# KiCad board pi60_v1.1.kicad_pcb (continued)
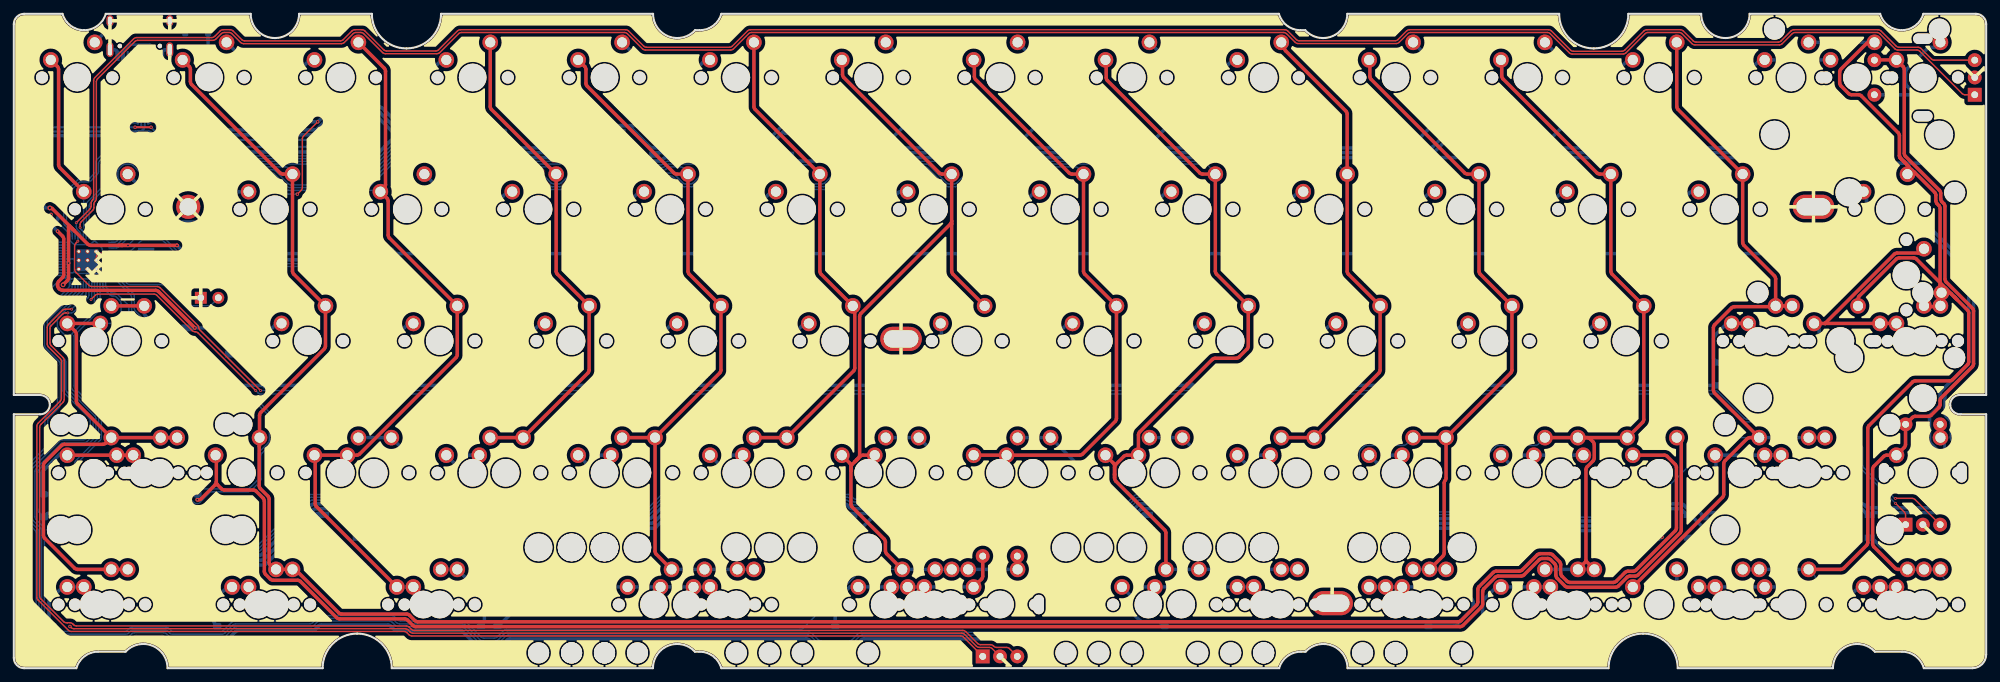
[diagram p0: board, top side]
## Routing (per net, layer and track width the routed paths; a pad name or vN(x,y) marks a point on that pad's centre or on a via; arc(x,y) is an arc through that point) (continued)
  Bottom w0.2: U1.39 9.25,54.87 arc(9.21,54.66) 9.09,54.49 4.99,50.38 arc(4.87,50.2) 4.83,50 4.83,46.85 arc(4.87,46.64) 4.99,46.47 6.95,44.51 arc(7.06,44.33) 7.11,44.12 7.11,40.16 arc(7.15,39.95) 7.26,39.77 10.89,36.15 arc(11.01,35.97) 11.05,35.76 11.05,34.02 arc(11.01,33.81) 10.89,33.64 10.42,33.17 arc(10.25,33.06) 10.04,33.01 7.03,33.01 arc(6.82,32.97) 6.64,32.86 2.81,29.02 arc(2.69,28.84) 2.65,28.63 2.65,21.71 arc(2.69,21.51) 2.81,21.33 3.87,20.27 arc(3.98,20.09) 4.03,19.88 4.03,5.54 arc(4.07,5.33) 4.19,5.16 4.27,5.07 arc(4.45,4.95) 4.66,4.91 16.19,4.91 arc(16.4,4.95) 16.58,5.07 16.87,5.36 arc(17.05,5.48) 17.26,5.52 21.83,5.52 arc(22.04,5.48) 22.22,5.36 22.52,5.07 arc(22.69,4.95) 22.9,4.91 30.09,4.91 arc(30.3,4.95) 30.48,5.07 31.66,6.25 arc(31.83,6.37) 32.04,6.41 42.78,6.41 arc(42.99,6.45) 43.17,6.57 43.64,7.04 arc(43.82,7.16) 44.02,7.2 54.46,7.2 arc(54.67,7.16) 54.84,7.04 55.32,6.57 arc(55.49,6.45) 55.7,6.41 64.83,6.41 arc(65.04,6.37) 65.21,6.25 67.37,4.1 arc(67.54,3.98) 67.75,3.94 69.6,3.94 arc(69.81,3.98) 69.98,4.1 70.92,5.03 arc(71.09,5.15) 71.3,5.19 114.93,5.19 arc(115.14,5.15) 115.32,5.03 116.25,4.1 arc(116.43,3.98) 116.63,3.94 120.74,3.94 arc(120.95,3.98) 121.13,4.1 122.06,5.03 arc(122.24,5.15) 122.44,5.19 210.18,5.19 arc(210.39,5.15) 210.57,5.03 211.5,4.1 arc(211.68,3.98) 211.88,3.94 214.71,3.94 arc(214.84,3.91) 214.95,3.84 arc(215.06,3.76) 215.19,3.74 228.96,3.74 arc(229.17,3.78) 229.34,3.9 232.12,6.68 arc(232.3,6.79) 232.51,6.84 238.24,6.84 arc(238.45,6.79) 238.63,6.68 241.21,4.1 arc(241.38,3.98) 241.59,3.94 242.08,3.94 arc(242.21,3.91) 242.32,3.84 arc(242.43,3.76) 242.56,3.74 258.45,3.74 arc(258.66,3.78) 258.83,3.9 259,4.06 arc(259.16,4.17) 259.34,4.2 arc(259.53,4.24) 259.69,4.35 260.52,5.18 arc(260.64,5.35) 260.68,5.56 260.68,6.45 arc(260.64,6.66) 260.52,6.83 260.49,6.86 arc(260.37,7.04) 260.33,7.25 260.33,13.07 arc(260.29,13.28) 260.17,13.45 259.5,14.12 arc(259.32,14.24) 259.12,14.28
  Bottom w0.5: 259.12,14.28 K81.2 ; K15.2 K14.2
C14: length 446.9
  Top w0.5: 268.89,87.94 271.82,87.94 arc(272.02,87.9) 272.2,87.78 273.01,86.97 arc(273.12,86.8) 273.17,86.59 273.17,74.4 arc(273.21,74.19) 273.33,74.02 278.27,69.07 arc(278.39,68.89) 278.43,68.68 278.43,67.84 arc(278.47,67.63) 278.59,67.46 278.88,67.16 arc(279,66.99) 279.04,66.78 279.04,56.24 arc(279.09,56.03) 279.2,55.86 283.02,52.04 arc(283.14,51.87) 283.18,51.66 283.18,43.98 arc(283.14,43.78) 283.02,43.6 278.5,39.08 arc(278.39,38.91) 278.34,38.7 278.34,38.08 arc(278.3,37.87) 278.19,37.69 277.06,36.57 arc(276.88,36.45) 276.68,36.41 274.74,36.41 arc(274.53,36.37) 274.35,36.25 SW2.S2 273.35,32.33 arc(273.31,32.12) 273.19,31.94 K66.1 270.6,30.79 arc(270.39,30.75) 270.21,30.63 268.75,29.17 arc(268.64,28.99) 268.6,28.79 268.6,17.95 arc(268.64,17.74) 268.75,17.56 271.88,14.44 arc(272.05,14.32) 272.26,14.28 K82.2
  Bottom w0.2: 278.69,13.99 278.69,13.4 arc(278.73,13.19) 278.85,13.02 282,9.87 arc(282.11,9.69) 282.16,9.48 282.16,8.92 arc(282.11,8.71) 282,8.53 281.6,8.13 arc(281.42,8.02) 281.21,7.98 278.17,7.98 arc(277.96,7.93) 277.78,7.82 276.98,7.02 arc(276.8,6.9) 276.6,6.86 264.64,6.86 arc(264.43,6.81) 264.26,6.7 263.06,5.5 arc(262.88,5.38) 262.67,5.34 261.47,5.34 arc(261.26,5.3) 261.08,5.18 259.85,3.95 arc(259.69,3.84) 259.51,3.81 arc(259.32,3.77) 259.16,3.66 259,3.5 arc(258.82,3.38) 258.61,3.34 242.4,3.34 arc(242.26,3.36) 242.15,3.44 arc(242.04,3.51) 241.91,3.54 241.43,3.54 arc(241.22,3.58) 241.04,3.7 238.46,6.28 arc(238.28,6.39) 238.08,6.44 232.67,6.44 arc(232.47,6.39) 232.29,6.28 229.51,3.5 arc(229.33,3.38) 229.13,3.34 215.03,3.34 arc(214.89,3.36) 214.78,3.44 arc(214.67,3.51) 214.54,3.54 211.72,3.54 arc(211.51,3.58) 211.33,3.7 210.4,4.63 arc(210.22,4.75) 210.02,4.79 122.61,4.79 arc(122.4,4.75) 122.23,4.63 121.29,3.7 arc(121.12,3.58) 120.91,3.54 116.47,3.54 arc(116.26,3.58) 116.08,3.7 115.15,4.63 arc(114.97,4.75) 114.77,4.79 71.47,4.79 arc(71.26,4.75) 71.08,4.63 70.15,3.7 arc(69.97,3.58) 69.77,3.54 67.59,3.54 arc(67.38,3.58) 67.2,3.7 65.05,5.85 arc(64.87,5.97) 64.66,6.01 55.53,6.01 arc(55.33,6.05) 55.15,6.17 54.68,6.64 arc(54.5,6.76) 54.29,6.8 44.19,6.8 arc(43.98,6.76) 43.8,6.64 43.33,6.17 arc(43.16,6.05) 42.95,6.01 32.21,6.01 arc(32,5.97) 31.82,5.85 30.64,4.67 arc(30.46,4.55) 30.26,4.51 22.74,4.51 arc(22.53,4.55) 22.35,4.67 22.05,4.97 arc(21.88,5.08) 21.67,5.12 17.42,5.12 arc(17.22,5.08) 17.04,4.97 16.74,4.67 arc(16.57,4.55) 16.36,4.51 4.49,4.51 arc(4.29,4.55) 4.11,4.67 3.79,4.99 arc(3.67,5.17) 3.63,5.38 3.63,19.72 arc(3.58,19.93) 3.47,20.1 2.41,21.16 arc(2.29,21.34) 2.25,21.55 2.25,28.8 arc(2.29,29.01) 2.41,29.19 4.74,31.52 arc(4.85,31.69) 4.9,31.9 4.9,35.79 arc(4.94,35.99) 5.05,36.17 6.55,37.66 arc(6.66,37.84) 6.71,38.05 6.71,43.96 arc(6.66,44.17) 6.55,44.34 4.59,46.3 arc(4.47,46.48) 4.43,46.69 4.43,50.16 arc(4.47,50.37) 4.59,50.55 8.69,54.65 arc(8.81,54.83) 8.85,55.04 U1.40
  Bottom w0.5: K90.2 K82.2
C15: length 79.5
  Top w0.5: 14.3,33.33 K111.2 K50.2 ; 14.3,33.33 arc(14.09,33.29) 13.93,33.19 ; 14.3,33.33 arc(14.09,33.37) 13.91,33.49 ; 13.91,33.49 9.2,38.2 arc(9.08,38.38) 9.04,38.59 9.04,48.3 arc(9,48.51) 8.88,48.68 K31.1 K32.1 ; 13.91,33.49 arc(13.98,33.34) 13.93,33.19 ; 13.93,33.19 13.27,32.52 arc(13.09,32.41) 12.88,32.36 7.3,32.36 arc(7.09,32.32) 6.91,32.21 4.44,29.73 arc(4.32,29.55) 4.28,29.35 4.28,19.19 arc(4.32,18.98) 4.44,18.8 8.8,14.44 arc(8.97,14.32) 9.18,14.28 K68.2 K76.2
  Bottom w0.2: K32.1 14.65,49.84 arc(14.86,49.88) 15.04,50 15.34,50.3 arc(15.46,50.47) 15.5,50.68 15.5,52.74 arc(15.46,52.95) 15.34,53.13 14.82,53.64 arc(14.64,53.76) 14.44,53.8 14.27,53.8 arc(14.06,53.85) 13.89,53.96 13.01,54.84 arc(12.89,55.01) 12.85,55.22 U1.30
C_1: length 11
  Bottom w0.5: K103.1 82.73,29.6 arc(82.82,29.46) 82.86,29.29 82.86,29.19 ; D48.2 83.02,26.28 arc(82.9,26.46) 82.86,26.67 82.86,29.02 ; K55.1 84.59,30.79 arc(84.38,30.75) 84.2,30.63 82.92,29.35 arc(82.87,29.28) 82.86,29.19 ; 82.86,29.19 82.86,29.02 ; 82.86,29.19 82.86,29.02
CC1: length 3.4
  Bottom w0.3: R6.2 17.73,85.65 arc(17.68,85.86) 17.57,86.04 17.12,86.49 arc(17,86.67) 16.96,86.87 USB1.4
CC2: length 3.2
  Bottom w0.3: R7.2 19.63,86.87 arc(19.67,87.08) 19.79,87.26 19.8,87.27 arc(19.91,87.45) 19.96,87.65 USB1.10
D2: length 14.7
  Bottom w0.5: D51.2 153.56,25.48 arc(153.68,25.66) 153.72,25.86 153.72,29.19 arc(153.68,29.4) 153.56,29.57 K58.2 K106.2
DN_MCU: length 67.4
  Top w0.3: v1(17.52,78.2) v1(19.83,78.2)
  Bottom w0.3: 45.25,76.37 21.86,76.37 arc(21.65,76.42) 21.48,76.53 19.83,78.18 arc(19.83,78.19) 19.83,78.19 v1(19.83,78.2) ; 18.42,78.6 18.42,78.32 arc(18.42,78.32) 18.42,78.32 18.36,78.26 arc(18.3,78.22) 18.23,78.2 v1(17.52,78.2) 4.21,78.2 arc(4,78.16) 3.83,78.05 0.59,74.8 arc(0.47,74.63) 0.43,74.42 0.43,58.77 arc(0.47,58.56) 0.59,58.39 1.53,57.44 arc(1.7,57.33) 1.91,57.28 R2.1
DN_USB: length 11.8
  Bottom w0.3: USB1.7 18.46,89.58 17.46,89.58 USB1.5 17.46,87.08 arc(17.5,86.87) 17.62,86.7 18.26,86.05 arc(18.37,85.88) 18.42,85.67 18.42,80.54 18.42,80.24
DP_MCU: length 66.3
  Bottom w0.3: 18.07,77.6 17.61,77.6 ; 18.07,77.6 19.48,77.6 arc(19.69,77.56) 19.86,77.44 21.77,75.53 arc(21.95,75.42) 22.15,75.37 45.25,75.37 ; 18.07,77.6 arc(18.02,77.6) 17.96,77.6 ; 17.61,77.6 4.31,77.6 arc(4.1,77.56) 3.93,77.44 1.08,74.6 arc(0.97,74.42) 0.93,74.21 0.93,59.44 arc(0.97,59.23) 1.08,59.06 1.75,58.39 arc(1.92,58.28) 2.13,58.23 R1.1 ; 17.61,77.6 17.96,77.6 ; 18.92,78.6 18.92,78.34 arc(18.88,78.13) 18.76,77.95 18.57,77.76 arc(18.39,77.64) 18.18,77.6 17.96,77.6
DP_USB: length 11.2
  Bottom w0.3: 18.96,86.14 USB1.8 ; 18.96,86.14 arc(18.95,86.12) 18.94,86.11 ; 18.96,86.14 arc(18.95,86.12) 18.94,86.11 ; 18.92,80.2 18.92,86.05 arc(18.92,86.08) 18.94,86.1 18.94,86.11 ; 18.94,86.11 arc(18.93,86.1) 18.91,86.11 18.12,86.9 arc(18,87.08) 17.96,87.29 USB1.6
Enter 1: length 38.3
  Top w0.5: 261.72,49.84 K48.1 K49.1 ; 261.72,49.84 271.74,59.86 arc(271.91,59.98) 272.12,60.02 275.17,60.02 arc(275.38,60.06) 275.55,60.18 K46.1 ; 261.72,49.84 arc(261.72,49.84) 261.72,49.84 ; 261.72,49.84 arc(261.72,49.84) 261.72,49.84 ; 261.72,49.84 K45.1
  Bottom w0.5: D43.2 258.87,44.19 arc(259.07,44.23) 259.25,44.35 260.71,45.81 arc(260.83,45.99) 260.87,46.19 260.87,48.88 arc(260.83,49.08) 260.71,49.26 K45.1
ISO': length 9
  Top w0.5: K47.1 248.23,49.84
  Bottom w0.5: D42.2 245.74,44.53 arc(245.63,44.71) 245.58,44.91 245.58,47.64 arc(245.63,47.85) 245.74,48.03 247.55,49.84
ISO_<>_1: length 260.5
  Top w0.5: K112.2 240.79,32.84 arc(240.9,32.66) 240.94,32.45 240.94,19.96 arc(240.9,19.75) 240.79,19.57 234.69,13.47 arc(234.51,13.36) 234.3,13.31 233.51,13.31 arc(233.31,13.27) 233.13,13.16 231.83,11.85 arc(231.65,11.74) 231.44,11.69 224.54,11.69 arc(224.33,11.74) 224.16,11.85 222.98,13.04 arc(222.86,13.21) 222.82,13.42 222.82,14.71 arc(222.77,14.92) 222.66,15.09 222.05,15.7 arc(221.88,15.81) 221.67,15.85 220.81,15.85 arc(220.61,15.81) 220.43,15.7 218.21,13.47 arc(218.03,13.36) 217.82,13.31 214.46,13.31 arc(214.26,13.27) 214.08,13.16 212.41,11.48 arc(212.29,11.31) 212.25,11.1 212.25,9.24 arc(212.2,9.04) 212.09,8.86 209.39,6.17 arc(209.22,6.05) 209.01,6.01 58.06,6.01 arc(57.85,6.05) 57.67,6.17 56.87,6.97 arc(56.7,7.08) 56.49,7.12 47.05,7.12 arc(46.84,7.17) 46.67,7.28 41.4,12.55 arc(41.23,12.66) 41.02,12.7 37.46,12.7 arc(37.25,12.75) 37.07,12.86 36.36,13.58 arc(36.24,13.76) 36.2,13.97 36.2,24.17 arc(36.15,24.38) 36.04,24.55 34.99,25.6 arc(34.82,25.71) 34.61,25.76 30.41,25.76 arc(30.2,25.8) 30.02,25.92 29.4,26.54 ; v1(26.51,24.34) 26.72,24.34 arc(26.91,24.38) 27.07,24.49 29.1,26.52 ; K52.1 29.21,30.74 arc(29.24,30.68) 29.26,30.61 29.26,26.9 ; 29.4,26.54 arc(29.25,26.59) 29.1,26.52 ; 29.4,26.54 arc(29.3,26.7) 29.26,26.9 ; 29.26,26.9 arc(29.22,26.69) 29.1,26.52
  Bottom w0.5: D45.2 26.52,25.13 arc(26.51,25.12) 26.51,25.1 v1(26.51,24.34)
K29 1: length 14.3
  Top w0.5: K31.2 K32.2
  Bottom w0.5: D30.2 22.25,44.34 arc(22.22,44.47) 22.14,44.59 20.16,46.57 arc(20.04,46.75) 20,46.96 20,49.75 arc(19.96,49.96) 19.84,50.14 18.99,50.98 arc(18.88,51.16) 18.83,51.37 K32.2
K59 1: length 20.2
  Bottom w0.5: 216.21,28.67 216.21,28.2 ; 216.21,28.67 216.21,29.25 arc(216.17,29.46) 216.05,29.63 K110.1 ; 216.21,28.67 arc(216.21,28.61) 216.21,28.55 ; 216.21,28.2 216.21,28.55 ; 216.21,28.2 216.21,26.76 arc(216.25,26.55) 216.37,26.37 217.44,25.3 arc(217.62,25.18) 217.83,25.14 D55.2 ; 216.21,28.55 216.21,29.06 arc(216.25,29.27) 216.37,29.44 217.55,30.63 arc(217.73,30.75) 217.94,30.79 K62.1 K63.1
K61 1: length 15.7
  Bottom w0.5: 245.95,30.69 245.95,27.02 arc(245.91,26.81) 245.79,26.63 D56.2 ; K67.1 K64.1
K65 1: length 9
  Bottom w0.5: 7.05,11.74 5.24,9.93 arc(5.12,9.75) 5.08,9.54 5.08,6.81 arc(5.12,6.61) 5.24,6.43 D58.2 ; K68.1 K76.1
K66 1: length 9
  Bottom w0.5: 30.86,11.74 29.05,9.93 arc(28.93,9.75) 28.89,9.54 28.89,6.81 arc(28.93,6.61) 29.05,6.43 D59.2 ; K69.1 K77.1
K67 1: length 12.4
  Bottom w0.5: D60.2 67.83,6.43 arc(67.95,6.61) 67.99,6.81 67.99,10.14 arc(67.95,10.35) 67.83,10.52 K78.2 K70.2
K68 1: length 29.3
  Top w0.5: SW3.S2 140,13.28 arc(139.96,13.07) 139.84,12.89 K79.1
  Bottom w0.5: K92.1 K84.1 K79.1 ; 121.89,11.87 121.14,11.87 arc(120.93,11.83) 120.75,11.71 118.85,9.8 arc(118.73,9.63) 118.69,9.42 D61.2
K69 1: length 24.4
  Bottom w0.5: K86.1 K72.1 208.67,11.74 arc(208.88,11.7) 209.06,11.58 210.71,9.93 arc(210.83,9.75) 210.87,9.54 210.87,8.86 arc(210.83,8.65) 210.71,8.47 208.48,6.25 arc(208.31,6.13) 208.1,6.09 D62.2
K70 1: length 14.2
  Bottom w0.5: K87.1 K73.1 ; 213.79,6.09 212.41,7.47 arc(212.29,7.65) 212.25,7.86 212.25,9.54 arc(212.29,9.75) 212.41,9.93 214.22,11.74
K71 1: length 20.8
  Bottom w0.5: D64.2 259.78,9.52 arc(259.74,9.73) 259.62,9.91 257.95,11.58 arc(257.77,11.7) 257.56,11.74 K89.1 K81.1
K72 1: length 12.2
  Bottom w0.5: K82.1 K90.1 ; 266.6,11.74 262.32,7.45 arc(262.2,7.28) 262.16,7.07 D65.2
K80 1: length 32.9
  Bottom w0.5: 70.03,6.09 75.52,11.58 arc(75.7,11.7) 75.91,11.74 K91.1 K95.1 K97.1
K82 1: length 28.4
  Bottom w0.5: 161.44,10.2 161.44,8.39 arc(161.48,8.18) 161.6,8.01 162.74,6.87 arc(162.92,6.75) 163.12,6.71 165.33,6.71 arc(165.54,6.66) 165.71,6.55 166.17,6.09 ; 161.44,10.2 arc(161.48,10.41) 161.6,10.58 ; 161.44,10.2 arc(161.4,10.4) 161.3,10.56 ; 161.6,10.58 162.6,11.58 arc(162.77,11.7) 162.98,11.74 K85.1 K99.1 K96.1 ; 161.6,10.58 arc(161.44,10.51) 161.3,10.56 ; 161.3,10.56 K93.1
LED: length 66.5
  Bottom w0.2: U1.28 14.29,56.37 arc(14.47,56.33) 14.62,56.23 16.85,54 arc(16.97,53.82) 17.01,53.61 17.01,51.85 arc(17.05,51.64) 17.17,51.46 18.89,49.74 arc(19.01,49.57) 19.05,49.36 19.05,46.56 arc(19.09,46.36) 19.21,46.18 20.79,44.6 arc(20.91,44.42) 20.95,44.21 20.95,41.07 arc(20.99,40.86) 21.11,40.68 21.5,40.3 arc(21.67,40.18) 21.88,40.14 33.57,40.14 arc(33.78,40.1) 33.95,39.98 37.17,36.76 arc(37.29,36.59) 37.33,36.38 37.33,32.8 arc(37.29,32.59) 37.17,32.41 35.87,31.11 arc(35.75,30.94) 35.71,30.73 35.71,27.34 arc(35.67,27.13) 35.55,26.95 34.26,25.67 arc(34.08,25.55) 33.87,25.51 28.67,25.51 arc(28.46,25.46) 28.29,25.35 26.89,23.95 arc(26.72,23.84) 26.51,23.79 26.42,23.79 arc(26.21,23.84) 26.03,23.95 25.23,24.76 arc(25.05,24.87) 24.85,24.91 22.14,24.91 arc(21.93,24.87) 21.75,24.76 19.27,22.27 arc(19.09,22.15) 18.88,22.11 18.61,22.11
LShift 1: length 17.3
  Top w0.5: K51.1 K111.1 K50.1
  Bottom w0.5: 7.41,31.1 7.02,31.1 arc(6.81,31.06) 6.63,30.94 4.16,28.46 arc(4.04,28.28) 4,28.08 4,25.71 arc(4.04,25.5) 4.16,25.33 D44.2
M_2: length 14.7
  Bottom w0.5: K107.2 K59.2 172.61,29.57 arc(172.73,29.4) 172.77,29.19 172.77,25.86 arc(172.73,25.66) 172.61,25.48 D52.2
R0: length 418.5
  Top w0.2: v1(40.97,68.53) 41.53,69.09 arc(41.65,69.27) 41.69,69.48 41.69,76.54 arc(41.73,76.75) 41.85,76.93 v1(43.91,78.99)
  Bottom w0.2: U1.15 14.48,61.57 arc(14.69,61.61) 14.86,61.73 18.1,64.97 arc(18.28,65.08) 18.49,65.12 19.27,65.12 arc(19.48,65.17) 19.66,65.28 20.06,65.68 arc(20.18,65.86) 20.22,66.07 20.22,66.63 arc(20.18,66.84) 20.06,67.02 19.66,67.42 arc(19.48,67.53) 19.27,67.57 18.49,67.57 arc(18.28,67.62) 18.1,67.73 15.19,70.65 arc(15.07,70.83) 15.03,71.03 15.03,71.79 arc(15.07,72) 15.19,72.18 15.7,72.69 arc(15.88,72.81) 16.09,72.85 16.82,72.85 arc(17.03,72.81) 17.2,72.69 20.56,69.34 arc(20.74,69.22) 20.94,69.18 28.56,69.18 arc(28.77,69.22) 28.95,69.34 30.33,70.72 arc(30.51,70.84) 30.72,70.88 36.88,70.88 arc(37.09,70.84) 37.27,70.72 39.3,68.69 arc(39.47,68.57) 39.68,68.53 v1(40.97,68.53)
  Bottom w0.5: 87.78,78.43 87.31,78.43 ; 87.78,78.43 88.63,78.43 arc(88.84,78.39) 89.01,78.28 91.9,75.38 arc(92.08,75.27) 92.29,75.22 107.64,75.22 arc(107.85,75.27) 108.02,75.38 110.91,78.26 arc(111.08,78.38) 111.29,78.42 112.72,78.42 arc(112.93,78.38) 113.11,78.26 115.99,75.38 arc(116.16,75.27) 116.37,75.22 123.79,75.22 ; 87.78,78.43 arc(87.72,78.43) 87.66,78.43 ; 87.31,78.43 86.96,78.43 arc(86.75,78.39) 86.58,78.28 83.68,75.38 arc(83.51,75.27) 83.3,75.22 70,75.22 arc(69.79,75.27) 69.62,75.38 66.74,78.26 arc(66.56,78.38) 66.35,78.42 61.26,78.42 arc(61.05,78.47) 60.88,78.58 60.47,78.99 ; 87.31,78.43 87.66,78.43 ; D1.1 28.06,89.29 arc(28.11,89.08) 28.22,88.9 30.53,86.59 arc(30.65,86.42) 30.69,86.21 30.69,82.67 arc(30.74,82.46) 30.85,82.29 D2.1 D3.1 v1(43.91,78.99) 45.89,80.96 arc(46.06,81.08) 46.27,81.12 52.87,81.12 arc(53.08,81.08) 53.26,80.96 55.64,78.58 arc(55.81,78.47) 56.02,78.42 59.56,78.42 arc(59.77,78.47) 59.94,78.58 D4.1 ; 245.56,75.22 240.26,75.22 arc(240.05,75.27) 239.88,75.38 237,78.27 arc(236.82,78.38) 236.61,78.42 235.18,78.42 arc(234.97,78.38) 234.8,78.27 231.91,75.38 arc(231.74,75.27) 231.53,75.22 219.89,75.22 ; 245.56,75.22 246.03,75.22 ; 245.56,75.22 245.91,75.22 ; 162.21,75.22 161.61,75.22 arc(161.4,75.27) 161.23,75.38 158.35,78.26 arc(158.17,78.38) 157.96,78.42 156.53,78.42 arc(156.32,78.38) 156.15,78.26 153.26,75.38 arc(153.09,75.27) 152.88,75.22 143.63,75.22 ; 162.21,75.22 162.56,75.22 ; 162.21,75.22 162.68,75.22 ; 195.97,75.22 204.66,75.22 arc(204.87,75.27) 205.04,75.38 207.93,78.27 arc(208.1,78.38) 208.31,78.42 209.75,78.42 arc(209.96,78.38) 210.14,78.27 213.02,75.38 arc(213.19,75.27) 213.4,75.22 219.54,75.22 ; 195.97,75.22 195.62,75.22 ; 195.97,75.22 arc(196.03,75.22) 196.09,75.22 ; 124.26,75.22 123.79,75.22 ; 124.26,75.22 131.45,75.22 arc(131.66,75.27) 131.83,75.38 134.72,78.26 arc(134.89,78.38) 135.1,78.42 136.53,78.42 arc(136.74,78.38) 136.92,78.26 139.8,75.38 arc(139.97,75.27) 140.18,75.22 143.16,75.22 ; 124.26,75.22 arc(124.2,75.22) 124.14,75.22 ; 123.79,75.22 124.14,75.22 ; 162.56,75.22 163.37,75.22 arc(163.58,75.27) 163.75,75.38 167.36,78.99 ; 162.56,75.22 arc(162.62,75.22) 162.68,75.22 ; 143.51,75.22 144.31,75.22 arc(144.52,75.27) 144.69,75.38 148.3,78.99 ; 143.51,75.22 143.16,75.22 ; 143.51,75.22 arc(143.57,75.22) 143.63,75.22 ; 246.03,75.22 246.71,75.22 arc(246.92,75.27) 247.09,75.38 250.7,78.99 ; 246.03,75.22 arc(245.97,75.22) 245.91,75.22 ; 219.54,75.22 219.89,75.22 ; 219.54,75.22 220.01,75.22 ; 219.89,75.22 arc(219.95,75.22) 220.01,75.22 ; 143.63,75.22 143.16,75.22 ; 91.16,78.99 90.77,78.59 arc(90.59,78.48) 90.38,78.43 87.66,78.43 ; 162.68,75.22 177.88,75.22 arc(178.09,75.27) 178.26,75.38 181.15,78.27 arc(181.32,78.38) 181.53,78.42 182.96,78.42 arc(183.17,78.38) 183.35,78.27 186.23,75.38 arc(186.4,75.27) 186.61,75.22 195.62,75.22 ; 124.14,75.22 125.27,75.22 arc(125.48,75.27) 125.65,75.38 129.26,78.99 ; 245.91,75.22 252.59,75.22 arc(252.8,75.18) 252.97,75.06 253.23,74.81 arc(253.4,74.69) 253.61,74.65 258.34,74.65 arc(258.55,74.69) 258.72,74.81 262.18,78.26 arc(262.35,78.38) 262.56,78.42 264,78.42 arc(264.21,78.38) 264.39,78.26 267.27,75.38 arc(267.44,75.27) 267.65,75.22 268.97,75.22 arc(269.18,75.18) 269.36,75.06 271.26,73.16 arc(271.43,73.05) 271.64,73 281.13,73 arc(281.34,73.05) 281.51,73.16 282.58,74.22 ; 196.09,75.22 201.48,75.22 arc(201.69,75.27) 201.86,75.38 205.47,78.99 ; 196.09,75.22 195.62,75.22 ; 220.01,75.22 220.52,75.22 arc(220.73,75.27) 220.9,75.38 224.51,78.99 ; D12.1 D13.1 ; D9.1 D10.1 ; D5.1 D6.1
R1: length 256.2
  Bottom w0.2: 29.23,59.94 28.65,60.52 arc(28.53,60.7) 28.49,60.9 28.49,63.01 arc(28.45,63.21) 28.33,63.39 27.93,63.79 arc(27.76,63.91) 27.55,63.95 23.35,63.95 arc(23.14,63.99) 22.96,64.11 22.51,64.57 arc(22.33,64.68) 22.12,64.73 18.65,64.73 arc(18.45,64.68) 18.27,64.57 15.03,61.33 arc(14.85,61.21) 14.64,61.17 U1.16
  Bottom w0.5: D29.1 55.46,59.94 arc(55.25,59.98) 55.07,60.1 54.64,60.54 arc(54.46,60.65) 54.25,60.69 52.26,60.69 arc(52.05,60.65) 51.88,60.54 51.44,60.1 arc(51.26,59.98) 51.05,59.94 D16.1
R2: length 258.5
  Bottom w0.2: 22.08,40.89 21.51,41.46 arc(21.39,41.64) 21.35,41.85 21.35,44.38 arc(21.31,44.59) 21.19,44.76 20.4,45.55 19.61,46.34 arc(19.49,46.52) 19.45,46.73 19.45,49.52 arc(19.41,49.73) 19.29,49.91 17.57,51.63 arc(17.45,51.81) 17.41,52.02 17.41,53.78 arc(17.37,53.99) 17.25,54.16 14.81,56.61 arc(14.63,56.72) 14.42,56.77 U1.27
  Bottom w0.5: 257.86,40.89 253.68,36.71 arc(253.51,36.59) 253.3,36.55 250.65,36.55 arc(250.44,36.59) 250.26,36.71 D42.1 D30.1
R3: length 350
  Bottom w0.2: U1.37 10.05,54.54 arc(10.01,54.33) 9.89,54.16 6.46,50.72 arc(6.34,50.54) 6.3,50.34 6.3,49.47 arc(6.34,49.27) 6.46,49.09 7.74,47.8 arc(7.86,47.63) 7.9,47.42 7.9,44.68 arc(7.9,44.68) 7.9,44.68 arc(7.91,44.68) 7.91,44.68 7.91,40.49 arc(7.95,40.28) 8.06,40.1 11.69,36.48 arc(11.81,36.3) 11.85,36.09 11.85,33.69 arc(11.81,33.48) 11.69,33.31 10.76,32.37 arc(10.58,32.26) 10.37,32.21 7.36,32.21 arc(7.15,32.17) 6.97,32.06 3.61,28.69 arc(3.49,28.51) 3.45,28.3 3.45,22.96 arc(3.49,22.75) 3.61,22.58 D44.1
  Bottom w0.5: 57.81,21.84 57.15,21.18 arc(56.98,21.07) 56.77,21.02 52.9,21.02 arc(52.69,21.07) 52.52,21.18 50.1,23.6 arc(49.92,23.72) 49.72,23.76 43.38,23.76 arc(43.18,23.72) 43,23.6 35.86,16.46 arc(35.69,16.34) 35.48,16.3 29.27,16.3 arc(29.06,16.34) 28.89,16.46 25.57,19.78 arc(25.45,19.96) 25.41,20.17 25.41,20.85 ; 58.11,21.84 58.77,21.18 arc(58.94,21.07) 59.15,21.02 63.91,21.02 arc(64.12,21.07) 64.29,21.18 64.95,21.84 ; 153.25,21.64 160.28,21.64 arc(160.49,21.68) 160.67,21.8 162.47,23.6 arc(162.65,23.72) 162.86,23.76 167.62,23.76 arc(167.83,23.72) 168.01,23.6 168.39,23.22 arc(168.57,23.1) 168.78,23.06 170.1,23.06 arc(170.31,23.02) 170.49,22.9 171.39,22 arc(171.57,21.88) 171.78,21.84 D52.1 ; 172.46,21.64 179.23,21.64 ; 281.68,21.84 280.49,23.03 arc(280.32,23.15) 280.11,23.19 268.06,23.19 arc(267.85,23.23) 267.67,23.35 267.42,23.6 arc(267.24,23.72) 267.03,23.76 262.03,23.76 arc(261.82,23.72) 261.64,23.6 257.08,19.03 arc(256.9,18.92) 256.69,18.87 252.15,18.87 arc(251.94,18.92) 251.76,19.03 248.47,22.33 arc(248.29,22.45) 248.08,22.49 245.18,22.49 arc(244.97,22.45) 244.79,22.33 D56.1 243.24,22.9 arc(243.06,23.02) 242.85,23.06 242.07,23.06 arc(241.86,23.1) 241.68,23.22 241.3,23.6 arc(241.12,23.72) 240.91,23.76 235.89,23.76 arc(235.68,23.72) 235.51,23.6 233.34,21.43 arc(233.16,21.32) 232.96,21.27 219.47,21.27 arc(219.26,21.32) 219.09,21.43 218.7,21.82 ; 84.16,21.7 84.19,21.67 arc(84.23,21.64) 84.27,21.63 91.82,21.63 arc(92.03,21.68) 92.21,21.79 94.01,23.6 arc(94.19,23.72) 94.4,23.76 100.36,23.76 arc(100.57,23.72) 100.75,23.6 102.35,22 arc(102.53,21.88) 102.74,21.84 D49.1 ; 198.34,21.71 198.11,21.71 arc(197.9,21.76) 197.73,21.87 196.95,22.65 arc(196.77,22.77) 196.56,22.81 192.17,22.81 arc(192.01,22.84) 191.87,22.94 arc(191.73,23.03) 191.57,23.06 190.81,23.06 arc(190.6,23.1) 190.42,23.22 190.04,23.6 arc(189.86,23.72) 189.65,23.76 184.89,23.76 arc(184.68,23.72) 184.5,23.6 182.7,21.8 arc(182.52,21.68) 182.31,21.64 179.58,21.64 ; 218.55,21.84 216.79,23.6 arc(216.61,23.72) 216.41,23.76 210.49,23.76 arc(210.28,23.72) 210.1,23.6 208.3,21.8 arc(208.12,21.68) 207.91,21.64 198.66,21.64 ; 65.2,21.84 66.96,23.6 arc(67.14,23.72) 67.35,23.76 72.38,23.76 arc(72.59,23.72) 72.77,23.6 73.15,23.22 arc(73.33,23.1) 73.54,23.06 82.56,23.06 arc(82.76,23.02) 82.94,22.9 84,21.84 ; 103.41,21.64 112.66,21.64 arc(112.87,21.68) 113.05,21.8 114.85,23.6 arc(115.03,23.72) 115.24,23.76 120,23.76 arc(120.21,23.72) 120.39,23.6 120.77,23.22 arc(120.95,23.1) 121.16,23.06 132,23.06 arc(132.21,23.02) 132.39,22.9 133.29,22 arc(133.47,21.88) 133.68,21.84 134.02,21.84 arc(134.16,21.81) 134.27,21.74 arc(134.38,21.66) 134.51,21.63 138.25,21.63 arc(138.46,21.68) 138.64,21.79 140.44,23.6 arc(140.62,23.72) 140.83,23.76 145.59,23.76 arc(145.8,23.72) 145.98,23.6 146.51,23.07 arc(146.52,23.06) 146.53,23.06 151.06,23.06 arc(151.27,23.02) 151.45,22.9 152.35,22 arc(152.53,21.88) 152.74,21.84 D51.1 ; D44.1 4.84,22.33 arc(5.01,22.45) 5.22,22.49 9.96,22.49 arc(10.17,22.45) 10.34,22.33 12.65,20.02 arc(12.83,19.9) 13.04,19.86 20.41,19.86 arc(20.61,19.9) 20.79,20.02 22.15,21.38 arc(22.27,21.55) 22.31,21.76 22.31,22.68 arc(22.34,22.83) 22.42,22.95 arc(22.54,23.03) 22.69,23.06 24.27,23.06 arc(24.44,23.03) 24.58,22.93 arc(24.67,22.79) 24.71,22.62 24.71,22 arc(24.75,21.79) 24.87,21.62 25.27,21.22 ; 25.27,21.22 arc(25.41,21.16) 25.57,21.23 ; 25.27,21.22 arc(25.37,21.05) 25.41,20.85 ; 25.57,21.23 26.04,21.71 arc(26.18,21.8) 26.35,21.84 D45.1 ; 25.57,21.23 arc(25.45,21.06) 25.41,20.85
R4: length 331
  Bottom w0.2: U1.41 8.45,55.2 arc(8.41,54.99) 8.29,54.82 4.93,51.46 arc(4.93,51.46) 4.93,51.46 4.19,50.71 arc(4.07,50.53) 4.03,50.33 4.03,46.52 arc(4.07,46.31) 4.19,46.14 6.15,44.18 arc(6.26,44) 6.31,43.79 6.31,39.16 6.31,38.21 arc(6.26,38) 6.15,37.83 4.65,36.34 arc(4.54,36.16) 4.5,35.95 4.5,32.07 arc(4.45,31.86) 4.34,31.68 2.01,29.35 arc(1.89,29.17) 1.85,28.97 1.85,21.38 arc(1.89,21.17) 2.01,21 3.07,19.94 arc(3.18,19.76) 3.23,19.55 3.23,5.21 arc(3.27,5) 3.39,4.83 5.42,2.79
  Bottom w0.5: 26.51,3.96 26.86,3.96 ; 26.51,3.96 22.51,3.96 arc(22.3,4) 22.12,4.12 21.83,4.42 arc(21.65,4.53) 21.44,4.58 17.65,4.58 arc(17.44,4.53) 17.27,4.42 16.97,4.12 arc(16.79,4) 16.58,3.96 7.13,3.96 arc(6.92,3.92) 6.74,3.8 5.73,2.79 ; 26.51,3.96 26.98,3.96 ; 26.86,3.96 30.48,3.96 arc(30.69,4) 30.87,4.12 32.05,5.3 arc(32.23,5.42) 32.43,5.46 43.18,5.46 arc(43.38,5.5) 43.56,5.62 44.03,6.09 arc(44.21,6.21) 44.42,6.25 54.07,6.25 arc(54.27,6.21) 54.45,6.09 54.92,5.62 arc(55.1,5.5) 55.31,5.46 64.44,5.46 arc(64.65,5.42) 64.82,5.3 67.33,2.79 ; 26.86,3.96 arc(26.92,3.96) 26.98,3.96 ; 201.81,4.24 209.79,4.24 arc(210,4.2) 210.17,4.08 211.11,3.15 arc(211.28,3.03) 211.49,2.99 213.74,2.99 ; 201.81,4.24 201.46,4.24 ; 201.81,4.24 arc(201.87,4.24) 201.93,4.24 ; 164.68,4.24 122.84,4.24 arc(122.63,4.2) 122.45,4.08 121.32,2.95 arc(121.14,2.83) 120.94,2.79 D61.1 116.44,2.79 arc(116.23,2.83) 116.06,2.95 114.92,4.08 arc(114.75,4.2) 114.54,4.24 71.69,4.24 arc(71.49,4.2) 71.31,4.08 70.02,2.79 ; 164.68,4.24 164.7,4.24 ; 164.68,4.24 164.7,4.24 ; 164.7,4.24 201.46,4.24 ; 164.7,4.24 arc(164.7,4.24) 164.71,4.23 166.15,2.79 ; D63.1 229.35,2.79 arc(229.56,2.83) 229.74,2.95 232.52,5.73 arc(232.69,5.84) 232.9,5.89 237.85,5.89 arc(238.06,5.84) 238.23,5.73 241.17,2.79 ; D66.1 D65.1 ; 204.26,2.79 202.97,4.08 arc(202.8,4.2) 202.59,4.24 201.93,4.24 ; 201.93,4.24 201.46,4.24 ; 26.98,3.96 27.84,3.96 arc(28.04,3.92) 28.22,3.8 29.23,2.79 ; D67.1 D60.1
